# KiCad board testhologram v2.kicad_pcb (continued)
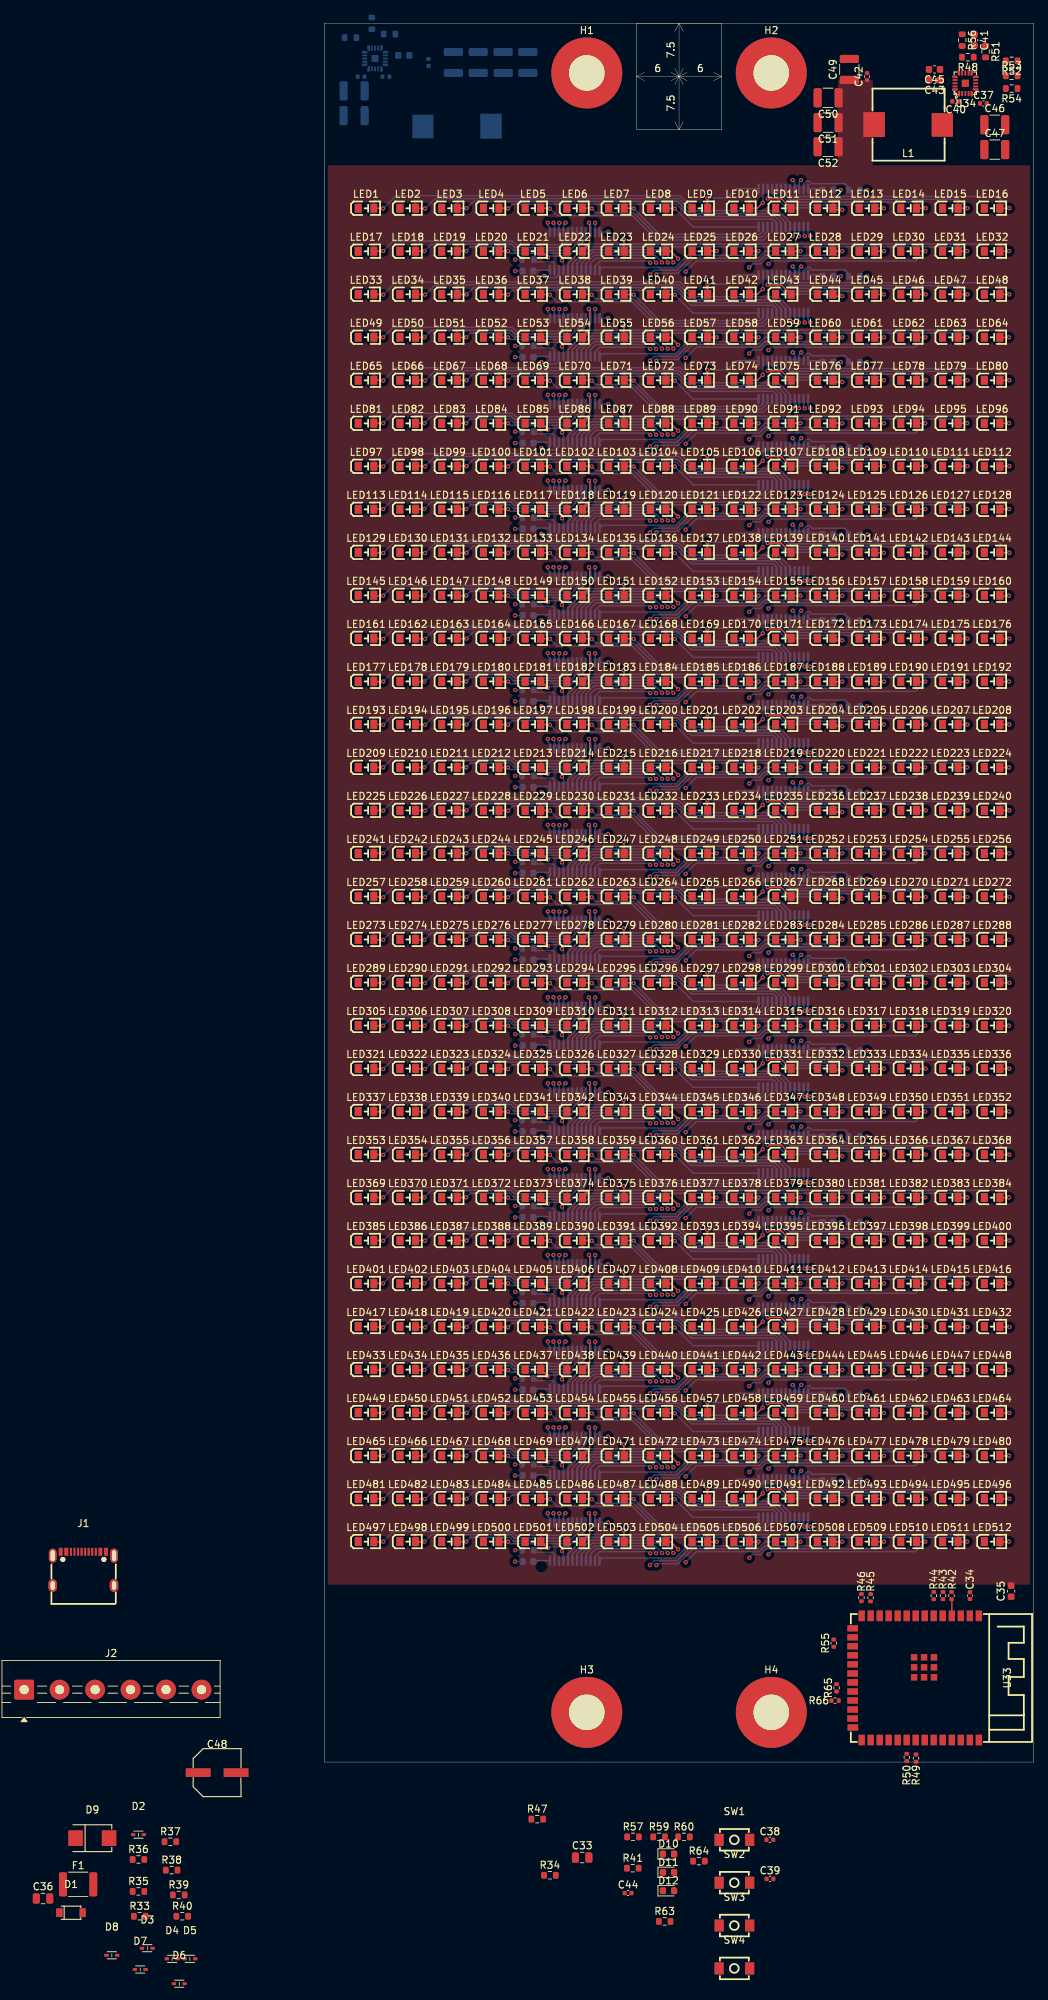
[diagram p0: board, top side]
## Routing (per net, layer and track width the routed paths; a pad name or vN(x,y) marks a point on that pad's centre or on a via; arc(x,y) is an arc through that point) (continued)
  Bottom w0.2: U14.11 38.2,142.88 38.2,144.1 v1(38.18,144.13)
Net-(LED216-K): length 14.9
  Top w0.2: 48.11,140.13 48.82,140.13 v1(49.88,139.08)
  In4.Cu w0.2: v1(49.88,139.08) 46.1,142.85 v1(40,142.85)
  Bottom w0.2: U14.12 38.8,142.85 v1(40,142.85)
Net-(LED217-K): length 18.9
  Top w0.2: 53.99,140.13 55.28,140.13 v1(55.3,140.15)
  Bottom w0.2: v1(55.3,140.15) 51.8,140.15 49.5,137.85 47.03,137.85 47.03,137.85 46.53,137.85 46.53,137.85 39.18,137.85 U14.13
Net-(LED218-K): length 28.6
  Top w0.2: 59.87,140.13 61.18,140.13 v1(61.2,140.15)
  In4.Cu w0.2: v1(45.9,136.85) 45.9,138.48 v1(45.94,138.52)
  Bottom w0.2: v1(45.94,138.52) 45.71,138.75 38.83,138.75 38.16,138.08 U14.14 ; v1(61.2,140.15) 61.2,139.85 60.9,139.55 51.8,139.55 49.7,137.45 46.5,137.45 v1(45.9,136.85)
Net-(LED219-K): length 35.5
  Top w0.2: 65.76,140.13 67.08,140.13 v1(67.1,140.15)
  In4.Cu w0.2: v1(46.78,138.53) 46.8,138.5 v1(46.8,136.85)
  Bottom w0.2: v1(67.1,140.15) 62.1,140.15 61.1,139.15 51.97,139.15 51.97,139.13 49.87,137.03 46.98,137.03 v1(46.8,136.85) ; U14.15 37.52,138.41 38.26,139.15 46.15,139.15 v1(46.78,138.53)
Net-(LED220-K): length 41.1
  Top w0.2: 71.64,140.13 72.98,140.13 v1(73,140.15)
  In4.Cu w0.2: v1(47.6,138.55) 47.6,138.45 48.8,137.25 v1(50.93,137.25)
  Bottom w0.2: U14.16 36.89,138.41 38.03,139.55 46.6,139.55 v1(47.6,138.55) ; v1(73,140.15) 72.4,139.55 62.1,139.55 61.3,138.75 52.43,138.75 v1(50.93,137.25)
Net-(LED221-K): length 47.5
  Top w0.2: v1(78.9,140.15) 78.88,140.13 77.52,140.13
  In4.Cu w0.2: v1(48.4,138.55) 48.4,138.5 48.97,137.93 59.85,137.93 v1(59.9,137.88)
  Bottom w0.2: v1(78.9,140.15) 77.9,139.15 62.3,139.15 61.5,138.35 60.38,138.35 v1(59.9,137.88) ; U14.17 36.25,138.41 37.79,139.95 47.1,139.95 48.42,138.63 48.42,138.58 v1(48.4,138.55)
Net-(LED222-K): length 53.8
  Top w0.2: v1(84.7,140.15) 84.68,140.13 83.4,140.13
  In4.Cu w0.2: v1(49.2,138.55) 49.28,138.48 62.48,138.48 v1(62.6,138.35)
  Bottom w0.2: v1(84.7,140.15) 83.3,138.75 63,138.75 v1(62.6,138.35) ; U14.18 35.62,138.41 37.56,140.35 47.5,140.35 49.2,138.65 v1(49.2,138.55)
Net-(LED223-K): length 59.1
  Top w0.2: v1(90.6,140.15) 90.58,140.13 89.29,140.13
  Bottom w0.2: U14.19 34.98,138.41 37.32,140.75 90,140.75 v1(90.6,140.15)
Net-(LED224-K): length 66
  Top w0.2: 95.17,140.13 96.48,140.13 v1(96.5,140.15)
  Bottom w0.2: U14.20 34.35,138.41 37.09,141.15 95.5,141.15 v1(96.5,140.15)
Net-(LED225-K): length 61.7
  Top w0.2: 6.93,134.09 8.26,134.09 v1(8.3,134.05)
  Bottom w0.2: v1(8.3,134.05) 10.1,135.85 50.15,135.85 52.25,133.75 63.98,133.75 65.65,132.08 U15.5
Net-(LED226-K): length 54.8
  Top w0.2: v1(14.2,134.05) 14.16,134.09 12.81,134.09
  Bottom w0.2: v1(14.2,134.05) 15.6,135.45 49.98,135.45 52.09,133.35 63.74,133.35 65.02,132.07 U15.6
Net-(LED227-K): length 47.9
  Top w0.2: v1(20.06,134.09) 18.7,134.09
  Bottom w0.2: U15.7 64.38,132.08 63.51,132.95 51.92,132.95 49.82,135.05 21.02,135.05 v1(20.06,134.09)
Net-(LED228-K): length 41.1
  Top w0.2: 24.58,134.09 25.86,134.09 v1(25.9,134.05)
  Bottom w0.2: U15.8 63.75,132.07 63.27,132.55 51.75,132.55 49.65,134.65 26.5,134.65 v1(25.9,134.05)
Net-(LED229-K): length 35.6
  Top w0.2: 30.46,134.09 31.76,134.09 v1(31.8,134.05)
  Bottom w0.2: U15.9 63.11,130.84 61.88,129.61 46.84,129.61 43.4,133.05 32.8,133.05 v1(31.8,134.05)
Net-(LED230-K): length 28.8
  Top w0.2: v1(37.7,134.05) 37.66,134.09 36.34,134.09
  Bottom w0.2: v1(37.7,134.05) 38.3,133.45 43.63,133.45 47.07,130.01 61.64,130.01 62.48,130.85 U15.10
Net-(LED231-K): length 21.9
  Top w0.2: 42.23,134.09 43.56,134.09 v1(43.6,134.05)
  Bottom w0.2: v1(43.6,134.05) 47.24,130.41 61.41,130.41 61.84,130.84 U15.11
Net-(LED232-K): length 14.2
  Top w0.2: 48.11,134.09 49.36,134.09 v1(49.4,134.05)
  Bottom w0.2: U15.12 51.99,131.46 v1(49.4,134.05)
Net-(LED233-K): length 9.2
  Top w0.2: 53.99,134.09 54,134.1 v1(54,135.55)
  Bottom w0.2: v1(54,135.55) 56.8,135.55 58.09,136.84 U15.13
Net-(LED234-K): length 4.2
  Top w0.2: 59.87,134.09 61.04,134.09 v1(61.8,134.85)
  Bottom w0.2: U15.14 61.84,134.99 61.8,134.95 v1(61.8,134.85)
Net-(LED235-K): length 5.9
  Top w0.2: 65.76,134.09 64.4,135.45 v1(62.5,135.45)
  Bottom w0.2: 62.48,136.17 U15.15 62.5,136.82 v1(62.5,135.45)
Net-(LED236-K): length 13.1
  Top w0.2: v1(73,133.85) 71.88,133.85 71.64,134.09
  Bottom w0.2: v1(73,133.85) 73,134.05 72.9,134.15 65.09,134.15 63.11,136.12 U15.16
Net-(LED237-K): length 18.1
  Top w0.2: v1(78.86,134.09) 77.52,134.09
  Bottom w0.2: v1(78.86,134.09) 78.4,134.55 65.25,134.55 63.75,136.05 U15.17
Net-(LED238-K): length 23.4
  Top w0.2: v1(84.76,134.09) 83.4,134.09
  Bottom w0.2: v1(84.76,134.09) 83.9,134.95 65.42,134.95 64.38,135.99 U15.18
Net-(LED239-K): length 28.7
  Top w0.2: v1(90.64,134.09) 89.29,134.09
  Bottom w0.2: v1(90.64,134.09) 89.38,135.35 65.58,135.35 65.02,135.91 U15.19
Net-(LED240-K): length 34
  Top w0.2: v1(96.56,134.09) 95.17,134.09
  Bottom w0.2: U15.20 65.65,135.85 65.75,135.75 94.9,135.75 v1(96.56,134.09)
Net-(LED241-K): length 29.3
  Top w0.2: 6.93,128.03 8.28,128.03 v1(8.3,128.05)
  Bottom w0.2: v1(8.3,128.05) 9.7,129.45 26.48,129.45 26.98,128.95 33.2,128.95 34.35,130.1 U16.5
Net-(LED242-K): length 24.1
  Top w0.2: 12.81,128.03 14.08,128.03 v1(14.1,128.05)
  Bottom w0.2: U16.6 34.98,130.12 33.41,128.55 26.82,128.55 26.32,129.05 25.48,129.05 25.48,129.05 15.1,129.05 v1(14.1,128.05)
Net-(LED243-K): length 18.8
  Top w0.2: 18.7,128.03 19.98,128.03 v1(20,128.05)
  Bottom w0.2: U16.7 35.62,130.13 33.64,128.15 26.65,128.15 26.15,128.65 25.65,128.65 25.65,128.65 20.6,128.65 v1(20,128.05)
Net-(LED244-K): length 13.6
  Top w0.2: 24.58,128.03 25.88,128.03 v1(25.9,128.05)
  Bottom w0.2: U16.8 36.25,129.79 34.21,127.75 26.2,127.75 v1(25.9,128.05)
Net-(LED245-K): length 8.8
  Top w0.2: v1(31.5,127.15) 30.62,128.03 30.46,128.03
  Bottom w0.2: U16.9 36.89,129.79 34.45,127.35 31.7,127.35 v1(31.5,127.15)
Net-(LED246-K): length 5.9
  Top w0.2: 36.34,128.03 37.4,129.09 37.4,131.95 v1(37.3,132.05)
  Bottom w0.2: U16.10 37.52,131.83 v1(37.3,132.05)
Net-(LED247-K): length 8.2
  Top w0.2: v1(42.2,129.65) 42.23,129.63 42.23,128.03
  In4.Cu w0.2: v1(42.2,129.65) 40.2,129.65 38.18,131.68 v1(38.18,132.03)
  Bottom w0.2: U16.11 38.2,130.78 38.2,132 v1(38.18,132.03)
Net-(LED248-K): length 14.9
  Top w0.2: 48.11,128.03 48.82,128.03 v1(49.88,126.98)
  In4.Cu w0.2: v1(40,130.75) 46.1,130.75 v1(49.88,126.98)
  Bottom w0.2: v1(40,130.75) 38.8,130.75 U16.12
Net-(LED249-K): length 18.9
  Top w0.2: 53.99,128.03 55.28,128.03 v1(55.3,128.05)
  Bottom w0.2: U16.13 39.18,125.75 46.53,125.75 46.53,125.75 47.03,125.75 47.03,125.75 49.5,125.75 51.8,128.05 v1(55.3,128.05)
Net-(LED250-K): length 28.6
  Top w0.2: 59.87,128.03 61.18,128.03 v1(61.2,128.05)
  In4.Cu w0.2: v1(45.9,124.75) 45.9,126.38 v1(45.94,126.42)
  Bottom w0.2: v1(45.94,126.42) 45.71,126.65 38.83,126.65 38.16,125.98 U16.14 ; v1(61.2,128.05) 61.2,127.75 60.9,127.45 51.8,127.45 49.7,125.35 46.5,125.35 v1(45.9,124.75)
Net-(LED251-K): length 35.5
  Top w0.2: 65.76,128.03 67.08,128.03 v1(67.1,128.05)
  In4.Cu w0.2: v1(46.78,126.43) 46.8,126.4 v1(46.8,124.75)
  Bottom w0.2: v1(46.78,126.43) 46.15,127.05 38.26,127.05 37.52,126.31 U16.15 ; v1(46.8,124.75) 46.98,124.93 49.87,124.93 51.97,127.03 51.97,127.05 61.1,127.05 62.1,128.05 v1(67.1,128.05)
Net-(LED252-K): length 41.1
  Top w0.2: v1(73,128.05) 72.98,128.03 71.64,128.03
  In4.Cu w0.2: v1(50.93,125.15) 48.8,125.15 47.6,126.35 v1(47.6,126.45)
  Bottom w0.2: v1(47.6,126.45) 46.6,127.45 38.03,127.45 36.89,126.31 U16.16 ; v1(50.93,125.15) 52.43,126.65 61.3,126.65 62.1,127.45 72.4,127.45 v1(73,128.05)
Net-(LED253-K): length 47.5
  Top w0.2: v1(78.9,128.05) 78.88,128.03 77.52,128.03
  In4.Cu w0.2: v1(59.9,125.78) 59.85,125.83 48.97,125.83 48.4,126.4 v1(48.4,126.45)
  Bottom w0.2: v1(59.9,125.78) 60.38,126.25 61.5,126.25 62.3,127.05 77.9,127.05 v1(78.9,128.05) ; U16.17 36.25,126.31 37.79,127.85 47.1,127.85 48.42,126.53 48.42,126.48 v1(48.4,126.45)
Net-(LED254-K): length 53.8
  Top w0.2: 83.4,128.03 84.68,128.03 v1(84.7,128.05)
  In4.Cu w0.2: v1(62.6,126.25) 62.48,126.38 49.28,126.38 v1(49.2,126.45)
  Bottom w0.2: v1(84.7,128.05) 83.3,126.65 63,126.65 v1(62.6,126.25) ; v1(49.2,126.45) 49.2,126.55 47.5,128.25 37.56,128.25 35.62,126.31 U16.18
Net-(LED255-K): length 59.1
  Top w0.2: 89.29,128.03 90.58,128.03 v1(90.6,128.05)
  Bottom w0.2: v1(90.6,128.05) 90,128.65 37.32,128.65 34.98,126.31 U16.19
Net-(LED256-K): length 66
  Top w0.2: v1(96.5,128.05) 96.48,128.03 95.17,128.03
  Bottom w0.2: v1(96.5,128.05) 95.5,129.05 37.09,129.05 34.35,126.31 U16.20
Net-(LED257-K): length 61.7
  Top w0.2: v1(8.3,121.85) 8.26,121.89 6.93,121.89
  Bottom w0.2: U17.5 65.65,119.88 63.98,121.55 52.25,121.55 50.15,123.65 10.1,123.65 v1(8.3,121.85)
Net-(LED258-K): length 54.8
  Top w0.2: v1(14.2,121.85) 14.16,121.89 12.81,121.89
  Bottom w0.2: v1(14.2,121.85) 15.6,123.25 49.98,123.25 52.09,121.15 63.74,121.15 65.02,119.87 U17.6
Net-(LED259-K): length 47.9
  Top w0.2: v1(20.06,121.89) 18.7,121.89
  Bottom w0.2: U17.7 64.38,119.88 63.51,120.75 51.92,120.75 49.82,122.85 21.02,122.85 v1(20.06,121.89)
Net-(LED260-K): length 41.1
  Top w0.2: v1(25.9,121.85) 25.86,121.89 24.58,121.89
  Bottom w0.2: v1(25.9,121.85) 26.5,122.45 49.65,122.45 51.75,120.35 63.27,120.35 63.75,119.87 U17.8
Net-(LED261-K): length 35.6
  Top w0.2: v1(31.8,121.85) 31.76,121.89 30.46,121.89
  Bottom w0.2: v1(31.8,121.85) 32.8,120.85 43.4,120.85 46.84,117.41 61.88,117.41 63.11,118.64 U17.9
Net-(LED262-K): length 28.8
  Top w0.2: 36.34,121.89 37.66,121.89 v1(37.7,121.85)
  Bottom w0.2: v1(37.7,121.85) 38.3,121.25 43.63,121.25 47.07,117.81 61.64,117.81 62.48,118.65 U17.10
Net-(LED263-K): length 21.9
  Top w0.2: v1(43.6,121.85) 43.56,121.89 42.23,121.89
  Bottom w0.2: U17.11 61.84,118.64 61.41,118.21 47.24,118.21 v1(43.6,121.85)
Net-(LED264-K): length 14.2
  Top w0.2: v1(49.4,121.85) 49.36,121.89 48.11,121.89
  Bottom w0.2: v1(49.4,121.85) 51.99,119.26 U17.12
Net-(LED265-K): length 9.2
  Top w0.2: v1(54,123.35) 54,121.9 53.99,121.89
  Bottom w0.2: v1(54,123.35) 56.8,123.35 58.09,124.64 U17.13
Net-(LED266-K): length 4.2
  Top w0.2: 59.87,121.89 61.04,121.89 v1(61.8,122.65)
  Bottom w0.2: v1(61.8,122.65) 61.8,122.75 61.84,122.79 U17.14
Net-(LED267-K): length 5.9
  Top w0.2: v1(62.5,123.25) 64.4,123.25 65.76,121.89
  Bottom w0.2: v1(62.5,123.25) 62.5,124.62 U17.15 62.48,123.97
Net-(LED268-K): length 13.1
  Top w0.2: 71.64,121.89 71.88,121.65 v1(73,121.65)
  Bottom w0.2: U17.16 63.11,123.92 65.09,121.95 72.9,121.95 73,121.85 v1(73,121.65)
Net-(LED269-K): length 18.1
  Top w0.2: v1(78.86,121.89) 77.52,121.89
  Bottom w0.2: U17.17 63.75,123.85 65.25,122.35 78.4,122.35 v1(78.86,121.89)
Net-(LED270-K): length 23.4
  Top w0.2: v1(84.76,121.89) 83.4,121.89
  Bottom w0.2: v1(84.76,121.89) 83.9,122.75 65.42,122.75 64.38,123.79 U17.18
Net-(LED271-K): length 28.7
  Top w0.2: v1(90.64,121.89) 89.29,121.89
  Bottom w0.2: U17.19 65.02,123.71 65.58,123.15 89.38,123.15 v1(90.64,121.89)
Net-(LED272-K): length 34
  Top w0.2: v1(96.56,121.89) 95.17,121.89
  Bottom w0.2: v1(96.56,121.89) 94.9,123.55 65.75,123.55 65.65,123.65 U17.20
Net-(LED273-K): length 29.3
  Top w0.2: 6.93,115.83 8.28,115.83 v1(8.3,115.85)
  Bottom w0.2: U18.5 34.35,117.9 33.2,116.75 26.98,116.75 26.48,117.25 9.7,117.25 v1(8.3,115.85)
Net-(LED274-K): length 24.1
  Top w0.2: 12.81,115.83 14.08,115.83 v1(14.1,115.85)
  Bottom w0.2: v1(14.1,115.85) 15.1,116.85 25.48,116.85 25.48,116.85 26.32,116.85 26.82,116.35 33.41,116.35 34.98,117.92 U18.6
Net-(LED275-K): length 18.8
  Top w0.2: 18.7,115.83 19.98,115.83 v1(20,115.85)
  Bottom w0.2: v1(20,115.85) 20.6,116.45 25.65,116.45 25.65,116.45 26.15,116.45 26.65,115.95 33.64,115.95 35.62,117.93 U18.7
Net-(LED276-K): length 13.6
  Top w0.2: 24.58,115.83 25.88,115.83 v1(25.9,115.85)
  Bottom w0.2: U18.8 36.25,117.59 34.21,115.55 26.2,115.55 v1(25.9,115.85)
Net-(LED277-K): length 8.8
  Top w0.2: v1(31.5,114.95) 30.62,115.83 30.46,115.83
  Bottom w0.2: v1(31.5,114.95) 31.7,115.15 34.45,115.15 36.89,117.59 U18.9
Net-(LED278-K): length 5.9
  Top w0.2: v1(37.3,119.85) 37.4,119.75 37.4,116.89 36.34,115.83
  Bottom w0.2: U18.10 37.52,119.63 v1(37.3,119.85)
Net-(LED279-K): length 8.2
  Top w0.2: v1(42.2,117.45) 42.23,117.43 42.23,115.83
  In4.Cu w0.2: v1(42.2,117.45) 40.2,117.45 38.18,119.48 v1(38.18,119.83)
  Bottom w0.2: v1(38.18,119.83) 38.2,119.8 38.2,118.58 U18.11
Net-(LED280-K): length 14.9
  Top w0.2: v1(49.88,114.78) 48.82,115.83 48.11,115.83
  In4.Cu w0.2: v1(49.88,114.78) 46.1,118.55 v1(40,118.55)
  Bottom w0.2: U18.12 38.8,118.55 v1(40,118.55)
Net-(LED281-K): length 18.9
  Top w0.2: 53.99,115.83 55.28,115.83 v1(55.3,115.85)
  Bottom w0.2: U18.13 39.18,113.55 46.53,113.55 46.53,113.55 47.03,113.55 47.03,113.55 49.5,113.55 51.8,115.85 v1(55.3,115.85)
Net-(LED282-K): length 28.6
  Top w0.2: 59.87,115.83 61.18,115.83 v1(61.2,115.85)
  In4.Cu w0.2: v1(45.9,112.55) 45.9,114.18 v1(45.94,114.22)
  Bottom w0.2: v1(61.2,115.85) 61.2,115.55 60.9,115.25 51.8,115.25 49.7,113.15 46.5,113.15 v1(45.9,112.55) ; v1(45.94,114.22) 45.71,114.45 38.83,114.45 38.16,113.78 U18.14
Net-(LED283-K): length 35.5
  Top w0.2: v1(67.1,115.85) 67.08,115.83 65.76,115.83
  In4.Cu w0.2: v1(46.78,114.23) 46.8,114.2 v1(46.8,112.55)
  Bottom w0.2: v1(46.8,112.55) 46.98,112.73 49.87,112.73 51.97,114.83 51.97,114.85 61.1,114.85 62.1,115.85 v1(67.1,115.85) ; U18.15 37.52,114.11 38.26,114.85 46.15,114.85 v1(46.78,114.23)
Net-(LED284-K): length 41.1
  Top w0.2: 71.64,115.83 72.98,115.83 v1(73,115.85)
  In4.Cu w0.2: v1(50.93,112.95) 48.8,112.95 47.6,114.15 v1(47.6,114.25)
  Bottom w0.2: v1(47.6,114.25) 46.6,115.25 38.03,115.25 36.89,114.11 U18.16 ; v1(73,115.85) 72.4,115.25 62.1,115.25 61.3,114.45 52.43,114.45 v1(50.93,112.95)
Net-(LED285-K): length 47.5
  Top w0.2: 77.52,115.83 78.88,115.83 v1(78.9,115.85)
  In4.Cu w0.2: v1(48.4,114.25) 48.4,114.2 48.97,113.63 59.85,113.63 v1(59.9,113.58)
  Bottom w0.2: v1(59.9,113.58) 60.38,114.05 61.5,114.05 62.3,114.85 77.9,114.85 v1(78.9,115.85) ; U18.17 36.25,114.11 37.79,115.65 47.1,115.65 48.42,114.33 48.42,114.28 v1(48.4,114.25)
Net-(LED286-K): length 53.8
  Top w0.2: v1(84.7,115.85) 84.68,115.83 83.4,115.83
  In4.Cu w0.2: v1(49.2,114.25) 49.28,114.18 62.48,114.18 v1(62.6,114.05)
  Bottom w0.2: v1(62.6,114.05) 63,114.45 83.3,114.45 v1(84.7,115.85) ; U18.18 35.62,114.11 37.56,116.05 47.5,116.05 49.2,114.35 v1(49.2,114.25)
Net-(LED287-K): length 59.1
  Top w0.2: v1(90.6,115.85) 90.58,115.83 89.29,115.83
  Bottom w0.2: U18.19 34.98,114.11 37.32,116.45 90,116.45 v1(90.6,115.85)
Net-(LED288-K): length 66
  Top w0.2: 95.17,115.83 96.48,115.83 v1(96.5,115.85)
  Bottom w0.2: v1(96.5,115.85) 95.5,116.85 37.09,116.85 34.35,114.11 U18.20
Net-(LED289-K): length 61.7
  Top w0.2: v1(8.3,109.75) 8.26,109.79 6.93,109.79
  Bottom w0.2: U19.5 65.65,107.78 63.98,109.45 52.25,109.45 50.15,111.55 10.1,111.55 v1(8.3,109.75)
Net-(LED290-K): length 54.8
  Top w0.2: 12.81,109.79 14.16,109.79 v1(14.2,109.75)
  Bottom w0.2: U19.6 65.02,107.77 63.74,109.05 52.09,109.05 49.98,111.15 15.6,111.15 v1(14.2,109.75)
Net-(LED291-K): length 47.9
  Top w0.2: v1(20.06,109.79) 18.7,109.79
  Bottom w0.2: U19.7 64.38,107.78 63.51,108.65 51.92,108.65 49.82,110.75 21.02,110.75 v1(20.06,109.79)
Net-(LED292-K): length 41.1
  Top w0.2: v1(25.9,109.75) 25.86,109.79 24.58,109.79
  Bottom w0.2: U19.8 63.75,107.77 63.27,108.25 51.75,108.25 49.65,110.35 26.5,110.35 v1(25.9,109.75)
Net-(LED293-K): length 35.6
  Top w0.2: 30.46,109.79 31.76,109.79 v1(31.8,109.75)
  Bottom w0.2: v1(31.8,109.75) 32.8,108.75 43.4,108.75 46.84,105.31 61.88,105.31 63.11,106.54 U19.9
Net-(LED294-K): length 28.8
  Top w0.2: 36.34,109.79 37.66,109.79 v1(37.7,109.75)
  Bottom w0.2: v1(37.7,109.75) 38.3,109.15 43.63,109.15 47.07,105.71 61.64,105.71 62.48,106.55 U19.10
Net-(LED295-K): length 21.9
  Top w0.2: v1(43.6,109.75) 43.56,109.79 42.23,109.79
  Bottom w0.2: v1(43.6,109.75) 47.24,106.11 61.41,106.11 61.84,106.54 U19.11
Net-(LED296-K): length 14.2
  Top w0.2: v1(49.4,109.75) 49.36,109.79 48.11,109.79
  Bottom w0.2: U19.12 51.99,107.16 v1(49.4,109.75)
Net-(LED297-K): length 9.2
  Top w0.2: v1(54,111.25) 54,109.8 53.99,109.79
  Bottom w0.2: U19.13 58.09,112.54 56.8,111.25 v1(54,111.25)
Net-(LED298-K): length 4.2
  Top w0.2: 59.87,109.79 61.04,109.79 v1(61.8,110.55)
  Bottom w0.2: U19.14 61.84,110.69 61.8,110.65 v1(61.8,110.55)
Net-(LED299-K): length 5.9
  Top w0.2: 65.76,109.79 64.4,111.15 v1(62.5,111.15)
  Bottom w0.2: 62.48,111.87 U19.15 62.5,112.52 v1(62.5,111.15)
Net-(LED300-K): length 13.1
  Top w0.2: v1(73,109.55) 71.88,109.55 71.64,109.79
  Bottom w0.2: U19.16 63.11,111.82 65.09,109.85 72.9,109.85 73,109.75 v1(73,109.55)
Net-(LED301-K): length 18.1
  Top w0.2: v1(78.86,109.79) 77.52,109.79
  Bottom w0.2: v1(78.86,109.79) 78.4,110.25 65.25,110.25 63.75,111.75 U19.17
Net-(LED302-K): length 23.4
  Top w0.2: v1(84.76,109.79) 83.4,109.79
  Bottom w0.2: U19.18 64.38,111.69 65.42,110.65 83.9,110.65 v1(84.76,109.79)
Net-(LED303-K): length 28.7
  Top w0.2: v1(90.64,109.79) 89.29,109.79
  Bottom w0.2: U19.19 65.02,111.61 65.58,111.05 89.38,111.05 v1(90.64,109.79)
Net-(LED304-K): length 34
  Top w0.2: v1(96.56,109.79) 95.17,109.79
  Bottom w0.2: U19.20 65.65,111.55 65.75,111.45 94.9,111.45 v1(96.56,109.79)
Net-(LED305-K): length 29.3
  Top w0.2: v1(8.3,103.75) 8.28,103.73 6.93,103.73
  Bottom w0.2: U20.5 34.35,105.8 33.2,104.65 26.98,104.65 26.48,105.15 9.7,105.15 v1(8.3,103.75)
Net-(LED306-K): length 24.1
  Top w0.2: 12.81,103.73 14.08,103.73 v1(14.1,103.75)
  Bottom w0.2: v1(14.1,103.75) 15.1,104.75 25.48,104.75 25.48,104.75 26.32,104.75 26.82,104.25 33.41,104.25 34.98,105.82 U20.6
Net-(LED307-K): length 18.8
  Top w0.2: 18.7,103.73 19.98,103.73 v1(20,103.75)
  Bottom w0.2: U20.7 35.62,105.83 33.64,103.85 26.65,103.85 26.15,104.35 25.65,104.35 25.65,104.35 20.6,104.35 v1(20,103.75)
Net-(LED308-K): length 13.6
  Top w0.2: v1(25.9,103.75) 25.88,103.73 24.58,103.73
  Bottom w0.2: v1(25.9,103.75) 26.2,103.45 34.21,103.45 36.25,105.49 U20.8
Net-(LED309-K): length 8.8
  Top w0.2: v1(31.5,102.85) 30.62,103.73 30.46,103.73
  Bottom w0.2: U20.9 36.89,105.49 34.45,103.05 31.7,103.05 v1(31.5,102.85)
Net-(LED310-K): length 5.9
  Top w0.2: v1(37.3,107.75) 37.4,107.65 37.4,104.79 36.34,103.73
  Bottom w0.2: U20.10 37.52,107.53 v1(37.3,107.75)
Net-(LED311-K): length 8.2
  Top w0.2: v1(42.2,105.35) 42.23,105.33 42.23,103.73
  In4.Cu w0.2: v1(38.18,107.73) 38.18,107.38 40.2,105.35 v1(42.2,105.35)
  Bottom w0.2: v1(38.18,107.73) 38.2,107.7 38.2,106.48 U20.11
Net-(LED312-K): length 14.9
  Top w0.2: v1(49.88,102.68) 48.82,103.73 48.11,103.73
  In4.Cu w0.2: v1(49.88,102.68) 46.1,106.45 v1(40,106.45)
  Bottom w0.2: v1(40,106.45) 38.8,106.45 U20.12
Net-(LED313-K): length 18.9
  Top w0.2: v1(55.3,103.75) 55.28,103.73 53.99,103.73
  Bottom w0.2: v1(55.3,103.75) 51.8,103.75 49.5,101.45 47.03,101.45 47.03,101.45 46.53,101.45 46.53,101.45 39.18,101.45 U20.13
Net-(LED314-K): length 28.6
  Top w0.2: 59.87,103.73 61.18,103.73 v1(61.2,103.75)
  In4.Cu w0.2: v1(45.94,102.12) 45.9,102.08 v1(45.9,100.45)
  Bottom w0.2: v1(61.2,103.75) 61.2,103.45 60.9,103.15 51.8,103.15 49.7,101.05 46.5,101.05 v1(45.9,100.45) ; v1(45.94,102.12) 45.71,102.35 38.83,102.35 38.16,101.68 U20.14
Net-(LED315-K): length 35.5
  Top w0.2: 65.76,103.73 67.08,103.73 v1(67.1,103.75)
  In4.Cu w0.2: v1(46.78,102.13) 46.8,102.1 v1(46.8,100.45)
  Bottom w0.2: v1(46.8,100.45) 46.98,100.63 49.87,100.63 51.97,102.73 51.97,102.75 61.1,102.75 62.1,103.75 v1(67.1,103.75) ; U20.15 37.52,102.01 38.26,102.75 46.15,102.75 v1(46.78,102.13)
Net-(LED316-K): length 41.1
  Top w0.2: v1(73,103.75) 72.98,103.73 71.64,103.73
  In4.Cu w0.2: v1(47.6,102.15) 47.6,102.05 48.8,100.85 v1(50.93,100.85)
  Bottom w0.2: U20.16 36.89,102.01 38.03,103.15 46.6,103.15 v1(47.6,102.15) ; v1(50.93,100.85) 52.43,102.35 61.3,102.35 62.1,103.15 72.4,103.15 v1(73,103.75)
Net-(LED317-K): length 47.5
  Top w0.2: 77.52,103.73 78.88,103.73 v1(78.9,103.75)
  In4.Cu w0.2: v1(59.9,101.48) 59.85,101.53 48.97,101.53 48.4,102.1 v1(48.4,102.15)
  Bottom w0.2: v1(78.9,103.75) 77.9,102.75 62.3,102.75 61.5,101.95 60.38,101.95 v1(59.9,101.48) ; v1(48.4,102.15) 48.42,102.18 48.42,102.23 47.1,103.55 37.79,103.55 36.25,102.01 U20.17
Net-(LED318-K): length 53.8
  Top w0.2: 83.4,103.73 84.68,103.73 v1(84.7,103.75)
  In4.Cu w0.2: v1(62.6,101.95) 62.48,102.08 49.28,102.08 v1(49.2,102.15)
  Bottom w0.2: v1(62.6,101.95) 63,102.35 83.3,102.35 v1(84.7,103.75) ; U20.18 35.62,102.01 37.56,103.95 47.5,103.95 49.2,102.25 v1(49.2,102.15)
Net-(LED319-K): length 59.1
  Top w0.2: 89.29,103.73 90.58,103.73 v1(90.6,103.75)
  Bottom w0.2: U20.19 34.98,102.01 37.32,104.35 90,104.35 v1(90.6,103.75)
Net-(LED320-K): length 66
  Top w0.2: v1(96.5,103.75) 96.48,103.73 95.17,103.73
  Bottom w0.2: U20.20 34.35,102.01 37.09,104.75 95.5,104.75 v1(96.5,103.75)
Net-(LED321-K): length 61.7
  Top w0.2: 6.93,97.69 8.26,97.69 v1(8.3,97.65)
  Bottom w0.2: v1(8.3,97.65) 10.1,99.45 50.15,99.45 52.25,97.35 63.98,97.35 65.65,95.68 U21.5
Net-(LED322-K): length 54.8
  Top w0.2: 12.81,97.69 14.16,97.69 v1(14.2,97.65)
  Bottom w0.2: U21.6 65.02,95.67 63.74,96.95 52.09,96.95 49.98,99.05 15.6,99.05 v1(14.2,97.65)
Net-(LED323-K): length 47.9
  Top w0.2: v1(20.06,97.69) 18.7,97.69
  Bottom w0.2: v1(20.06,97.69) 21.02,98.65 49.82,98.65 51.92,96.55 63.51,96.55 64.38,95.68 U21.7
Net-(LED324-K): length 41.1
  Top w0.2: v1(25.9,97.65) 25.86,97.69 24.58,97.69
  Bottom w0.2: U21.8 63.75,95.67 63.27,96.15 51.75,96.15 49.65,98.25 26.5,98.25 v1(25.9,97.65)
Net-(LED325-K): length 35.6
  Top w0.2: v1(31.8,97.65) 31.76,97.69 30.46,97.69
  Bottom w0.2: U21.9 63.11,94.44 61.88,93.21 46.84,93.21 43.4,96.65 32.8,96.65 v1(31.8,97.65)
Net-(LED326-K): length 28.8
  Top w0.2: 36.34,97.69 37.66,97.69 v1(37.7,97.65)
  Bottom w0.2: U21.10 62.48,94.45 61.64,93.61 47.07,93.61 43.63,97.05 38.3,97.05 v1(37.7,97.65)
Net-(LED327-K): length 21.9
  Top w0.2: v1(43.6,97.65) 43.56,97.69 42.23,97.69
  Bottom w0.2: v1(43.6,97.65) 47.24,94.01 61.41,94.01 61.84,94.44 U21.11
Net-(LED328-K): length 14.2
  Top w0.2: 48.11,97.69 49.36,97.69 v1(49.4,97.65)
  Bottom w0.2: v1(49.4,97.65) 51.99,95.06 U21.12
Net-(LED329-K): length 9.2
  Top w0.2: v1(54,99.15) 54,97.7 53.99,97.69
  Bottom w0.2: v1(54,99.15) 56.8,99.15 58.09,100.44 U21.13
Net-(LED330-K): length 4.2
  Top w0.2: v1(61.8,98.45) 61.04,97.69 59.87,97.69
  Bottom w0.2: v1(61.8,98.45) 61.8,98.55 61.84,98.59 U21.14
Net-(LED331-K): length 5.9
  Top w0.2: v1(62.5,99.05) 64.4,99.05 65.76,97.69
  Bottom w0.2: 62.48,99.77 U21.15 62.5,100.42 v1(62.5,99.05)
Net-(LED332-K): length 13.1
  Top w0.2: 71.64,97.69 71.88,97.45 v1(73,97.45)
  Bottom w0.2: v1(73,97.45) 73,97.65 72.9,97.75 65.09,97.75 63.11,99.72 U21.16
Net-(LED333-K): length 18.1
  Top w0.2: v1(78.86,97.69) 77.52,97.69
  Bottom w0.2: v1(78.86,97.69) 78.4,98.15 65.25,98.15 63.75,99.65 U21.17
Net-(LED334-K): length 23.4
  Top w0.2: v1(84.76,97.69) 83.4,97.69
  Bottom w0.2: v1(84.76,97.69) 83.9,98.55 65.42,98.55 64.38,99.59 U21.18
Net-(LED335-K): length 28.7
  Top w0.2: v1(90.64,97.69) 89.29,97.69
  Bottom w0.2: U21.19 65.02,99.51 65.58,98.95 89.38,98.95 v1(90.64,97.69)
Net-(LED336-K): length 34
  Top w0.2: v1(96.56,97.69) 95.17,97.69
  Bottom w0.2: v1(96.56,97.69) 94.9,99.35 65.75,99.35 65.65,99.45 U21.20
Net-(LED337-K): length 29.3
  Top w0.2: 6.93,91.63 8.28,91.63 v1(8.3,91.65)
  Bottom w0.2: U22.5 34.35,93.7 33.2,92.55 26.98,92.55 26.48,93.05 9.7,93.05 v1(8.3,91.65)
Net-(LED338-K): length 24.1
  Top w0.2: 12.81,91.63 14.08,91.63 v1(14.1,91.65)
  Bottom w0.2: U22.6 34.98,93.72 33.41,92.15 26.82,92.15 26.32,92.65 25.48,92.65 25.48,92.65 15.1,92.65 v1(14.1,91.65)
Net-(LED339-K): length 18.8
  Top w0.2: 18.7,91.63 19.98,91.63 v1(20,91.65)
  Bottom w0.2: U22.7 35.62,93.73 33.64,91.75 26.65,91.75 26.15,92.25 25.65,92.25 25.65,92.25 20.6,92.25 v1(20,91.65)
Net-(LED340-K): length 13.6
  Top w0.2: 24.58,91.63 25.88,91.63 v1(25.9,91.65)
  Bottom w0.2: U22.8 36.25,93.39 34.21,91.35 26.2,91.35 v1(25.9,91.65)
Net-(LED341-K): length 8.8
  Top w0.2: 30.46,91.63 30.62,91.63 v1(31.5,90.75)
  Bottom w0.2: v1(31.5,90.75) 31.7,90.95 34.45,90.95 36.89,93.39 U22.9
Net-(LED342-K): length 5.9
  Top w0.2: 36.34,91.63 37.4,92.69 37.4,95.55 v1(37.3,95.65)
  Bottom w0.2: U22.10 37.52,95.43 v1(37.3,95.65)
Net-(LED343-K): length 8.2
  Top w0.2: v1(42.2,93.25) 42.23,93.23 42.23,91.63
  In4.Cu w0.2: v1(38.18,95.63) 38.18,95.28 40.2,93.25 v1(42.2,93.25)
  Bottom w0.2: v1(38.18,95.63) 38.2,95.6 38.2,94.38 U22.11
Net-(LED344-K): length 14.9
  Top w0.2: 48.11,91.63 48.82,91.63 v1(49.88,90.58)
  In4.Cu w0.2: v1(49.88,90.58) 46.1,94.35 v1(40,94.35)
  Bottom w0.2: v1(40,94.35) 38.8,94.35 U22.12
Net-(LED345-K): length 18.9
  Top w0.2: 53.99,91.63 55.28,91.63 v1(55.3,91.65)
  Bottom w0.2: v1(55.3,91.65) 51.8,91.65 49.5,89.35 47.03,89.35 47.03,89.35 46.53,89.35 46.53,89.35 39.18,89.35 U22.13
Net-(LED346-K): length 28.6
  Top w0.2: 59.87,91.63 61.18,91.63 v1(61.2,91.65)
  In4.Cu w0.2: v1(45.9,88.35) 45.9,89.98 v1(45.94,90.02)
  Bottom w0.2: U22.14 38.16,89.58 38.83,90.25 45.71,90.25 v1(45.94,90.02) ; v1(45.9,88.35) 46.5,88.95 49.7,88.95 51.8,91.05 60.9,91.05 61.2,91.35 v1(61.2,91.65)
